# Altium PCB STB_LightBoard.PcbDoc (part 19 of 31)
Units mm, origin at the board's own origin, x right, y up, seen from the top; angles counter-clockwise.
Board outline 348 x 348 mm, 2 copper layers (Top Layer, Bottom Layer), stack 1.672 mm thick; 3807 components, 3391 nets, 11616 pads, 2553 vias.
Unrouted connection lines stored in the file: 68.
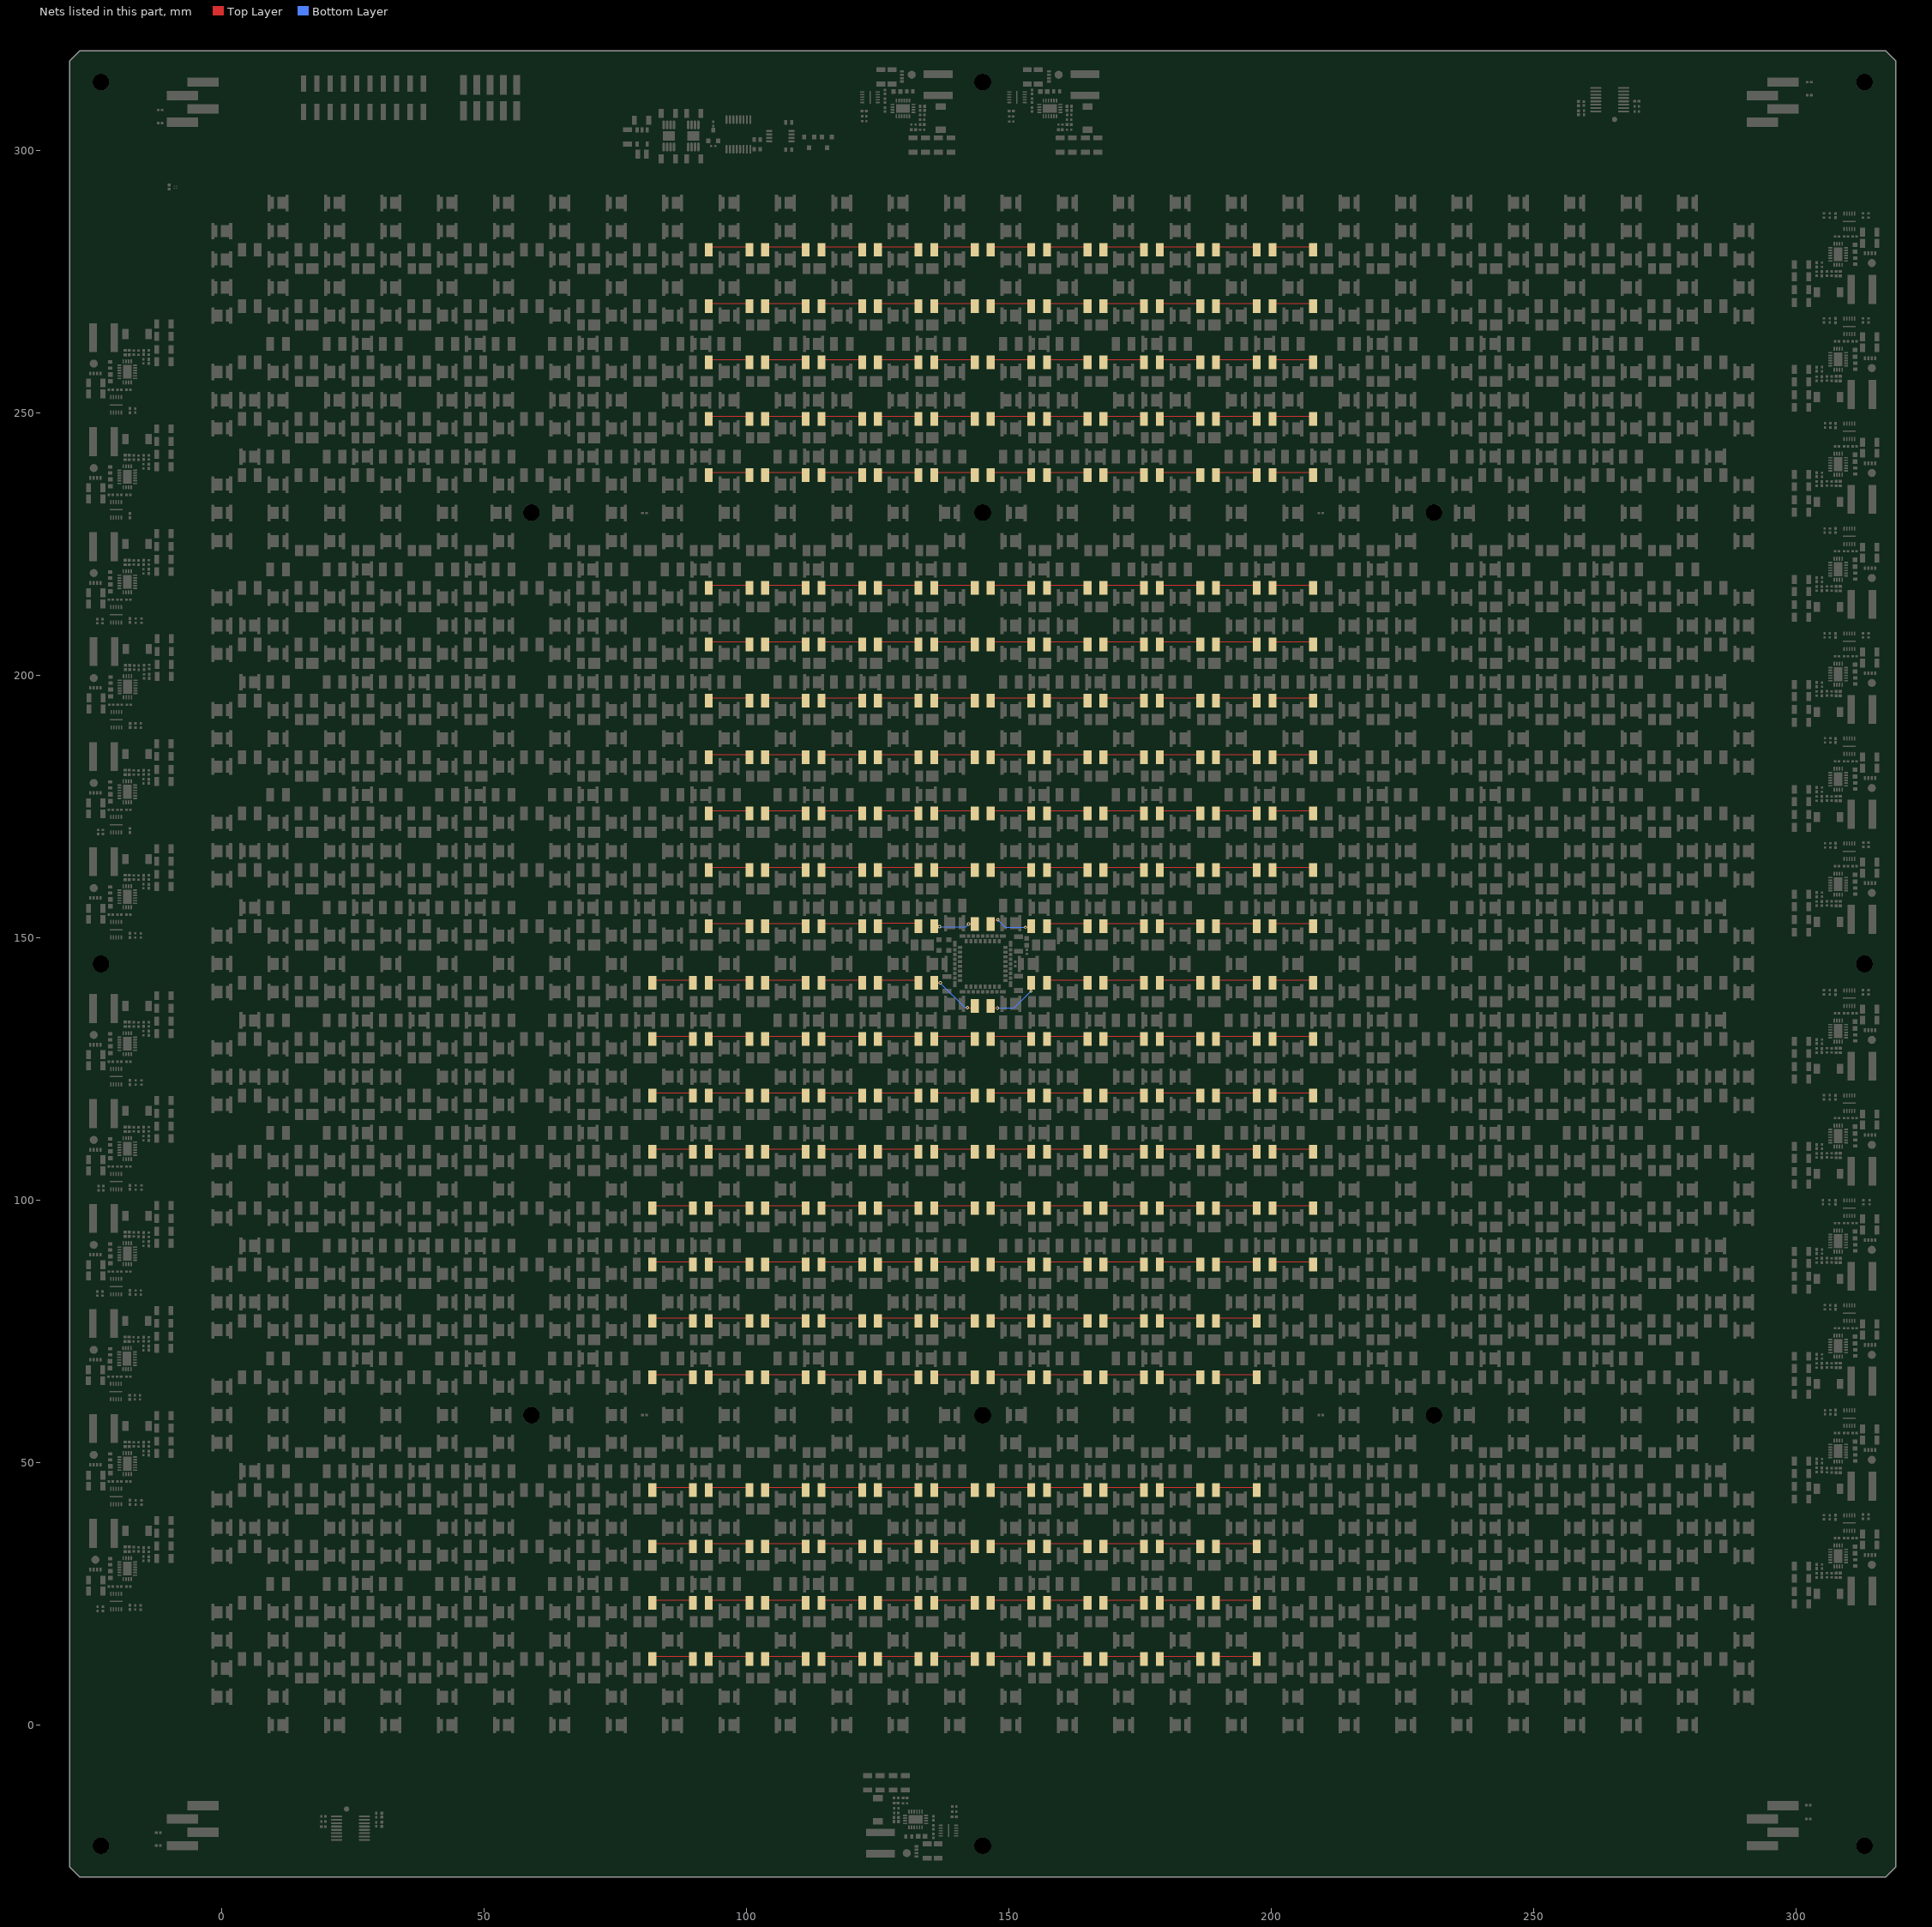
[diagram p19: the nets of this part, all layers, seen from the top]

## Via types
v1: diameter 0.604, hole 0.3, Top Layer to Bottom Layer, tented both sides, 2553 vias

## Nets (pads, with @x,y where several pads share a name; then routed paths per layer and width w, separated by ;. In a path a pad name is that pad's centre, name@x,y a point inside that pad or via, vN(x,y) a via of type N, cw(c..) or ccw(c..) an arc to the next point about the centre after c; other vN are vias at no path point) (continued)
NetLED22_IR940_30_1: LED22_IR940_30.1 LED23_IR940_30.2 | length 8.2
  Top Layer w0.2: LED22_IR940_30.1@82.057,141.433 82.591,141.967 89.264,141.967 LED23_IR940_30.2@89.798,141.433
NetLED22_IR940_31_1: LED22_IR940_31.1 LED23_IR940_31.2 | length 8.2
  Top Layer w0.2: LED22_IR940_31.1@82.057,130.692 82.591,131.226 89.264,131.226 LED23_IR940_31.2@89.798,130.692
NetLED22_IR940_32_1: LED22_IR940_32.1 LED23_IR940_32.2 | length 8.2
  Top Layer w0.2: LED22_IR940_32.1@82.057,119.951 82.591,120.485 89.264,120.485 LED23_IR940_32.2@89.798,119.951
NetLED22_IR940_33_1: LED22_IR940_33.1 LED23_IR940_33.2 | length 8.2
  Top Layer w0.2: LED22_IR940_33.1@82.057,109.21 82.591,109.744 89.264,109.744 LED23_IR940_33.2@89.798,109.21
NetLED22_IR940_34_1: LED22_IR940_34.1 LED23_IR940_34.2 | length 8.2
  Top Layer w0.2: LED22_IR940_34.1@82.057,98.469 82.591,99.003 89.264,99.003 LED23_IR940_34.2@89.798,98.469
NetLED22_IR940_35_1: LED22_IR940_35.1 LED23_IR940_35.2 | length 8.2
  Top Layer w0.2: LED22_IR940_35.1@82.057,87.728 82.591,88.262 89.264,88.262 LED23_IR940_35.2@89.798,87.728
NetLED22_IR940_40_1: LED22_IR940_40.1 LED23_IR940_40.2 | length 8.2
  Top Layer w0.2: LED22_IR940_40.1@82.057,76.987 82.591,77.521 89.264,77.521 LED23_IR940_40.2@89.798,76.987
NetLED22_IR940_41_1: LED22_IR940_41.1 LED23_IR940_41.2 | length 8.2
  Top Layer w0.2: LED22_IR940_41.1@82.057,66.246 82.591,66.78 89.264,66.78 LED23_IR940_41.2@89.798,66.246
NetLED22_IR940_42_1: LED22_IR940_42.1 LED23_IR940_42.2 | length 8.2
  Top Layer w0.2: LED22_IR940_42.1@82.057,44.764 82.591,45.298 89.264,45.298 LED23_IR940_42.2@89.798,44.764
NetLED22_IR940_43_1: LED22_IR940_43.1 LED23_IR940_43.2 | length 8.2
  Top Layer w0.2: LED22_IR940_43.1@82.057,34.023 82.591,34.557 89.264,34.557 LED23_IR940_43.2@89.798,34.023
NetLED22_IR940_44_1: LED22_IR940_44.1 LED23_IR940_44.2 | length 8.2
  Top Layer w0.2: LED22_IR940_44.1@82.057,23.282 82.591,23.816 89.264,23.816 LED23_IR940_44.2@89.798,23.282
NetLED22_IR940_45_1: LED22_IR940_45.1 LED23_IR940_45.2 | length 8.2
  Top Layer w0.2: LED22_IR940_45.1@82.057,12.541 82.591,13.075 89.264,13.075 LED23_IR940_45.2@89.798,12.541
NetLED23_IR940_10_1: LED23_IR940_10.1 LED24_IR940_10.2 | length 8.2
  Top Layer w0.2: LED23_IR940_10.1@92.798,281.066 93.332,281.6 100.005,281.6 LED24_IR940_10.2@100.539,281.066
NetLED23_IR940_11_1: LED23_IR940_11.1 LED24_IR940_11.2 | length 8.2
  Top Layer w0.2: LED23_IR940_11.1@92.798,270.325 93.332,270.859 100.005,270.859 LED24_IR940_11.2@100.539,270.325
NetLED23_IR940_12_1: LED23_IR940_12.1 LED24_IR940_12.2 | length 8.2
  Top Layer w0.2: LED23_IR940_12.1@92.798,259.584 93.332,260.118 100.005,260.118 LED24_IR940_12.2@100.539,259.584
NetLED23_IR940_13_1: LED23_IR940_13.1 LED24_IR940_13.2 | length 8.2
  Top Layer w0.2: LED23_IR940_13.1@92.798,248.843 93.332,249.377 100.005,249.377 LED24_IR940_13.2@100.539,248.843
NetLED23_IR940_14_1: LED23_IR940_14.1 LED24_IR940_14.2 | length 8.2
  Top Layer w0.2: LED23_IR940_14.1@92.798,238.102 93.332,238.636 100.005,238.636 LED24_IR940_14.2@100.539,238.102
NetLED23_IR940_15_1: LED23_IR940_15.1 LED24_IR940_15.2 | length 8.2
  Top Layer w0.2: LED23_IR940_15.1@92.798,216.62 93.332,217.154 100.005,217.154 LED24_IR940_15.2@100.539,216.62
NetLED23_IR940_20_1: LED23_IR940_20.1 LED24_IR940_20.2 | length 8.2
  Top Layer w0.2: LED23_IR940_20.1@92.798,205.879 93.332,206.413 100.005,206.413 LED24_IR940_20.2@100.539,205.879
NetLED23_IR940_21_1: LED23_IR940_21.1 LED24_IR940_21.2 | length 8.2
  Top Layer w0.2: LED23_IR940_21.1@92.798,195.138 93.332,195.672 100.005,195.672 LED24_IR940_21.2@100.539,195.138
NetLED23_IR940_22_1: LED23_IR940_22.1 LED24_IR940_22.2 | length 8.2
  Top Layer w0.2: LED23_IR940_22.1@92.798,184.397 93.332,184.931 100.005,184.931 LED24_IR940_22.2@100.539,184.397
NetLED23_IR940_23_1: LED23_IR940_23.1 LED24_IR940_23.2 | length 8.2
  Top Layer w0.2: LED23_IR940_23.1@92.798,173.656 93.332,174.19 100.005,174.19 LED24_IR940_23.2@100.539,173.656
NetLED23_IR940_24_1: LED23_IR940_24.1 LED24_IR940_24.2 | length 8.2
  Top Layer w0.2: LED23_IR940_24.1@92.798,162.915 93.332,163.449 100.005,163.449 LED24_IR940_24.2@100.539,162.915
NetLED23_IR940_25_1: LED23_IR940_25.1 LED24_IR940_25.2 | length 8.2
  Top Layer w0.2: LED23_IR940_25.1@92.798,152.174 93.332,152.708 100.005,152.708 LED24_IR940_25.2@100.539,152.174
NetLED23_IR940_30_1: LED23_IR940_30.1 LED24_IR940_30.2 | length 8.2
  Top Layer w0.2: LED23_IR940_30.1@92.798,141.433 93.332,141.967 100.005,141.967 LED24_IR940_30.2@100.539,141.433
NetLED23_IR940_31_1: LED23_IR940_31.1 LED24_IR940_31.2 | length 8.2
  Top Layer w0.2: LED23_IR940_31.1@92.798,130.692 93.332,131.226 100.005,131.226 LED24_IR940_31.2@100.539,130.692
NetLED23_IR940_32_1: LED23_IR940_32.1 LED24_IR940_32.2 | length 8.2
  Top Layer w0.2: LED23_IR940_32.1@92.798,119.951 93.332,120.485 100.005,120.485 LED24_IR940_32.2@100.539,119.951
NetLED23_IR940_33_1: LED23_IR940_33.1 LED24_IR940_33.2 | length 8.2
  Top Layer w0.2: LED23_IR940_33.1@92.798,109.21 93.332,109.744 100.005,109.744 LED24_IR940_33.2@100.539,109.21
NetLED23_IR940_34_1: LED23_IR940_34.1 LED24_IR940_34.2 | length 8.2
  Top Layer w0.2: LED23_IR940_34.1@92.798,98.469 93.332,99.003 100.005,99.003 LED24_IR940_34.2@100.539,98.469
NetLED23_IR940_35_1: LED23_IR940_35.1 LED24_IR940_35.2 | length 8.2
  Top Layer w0.2: LED23_IR940_35.1@92.798,87.728 93.332,88.262 100.005,88.262 LED24_IR940_35.2@100.539,87.728
NetLED23_IR940_40_1: LED23_IR940_40.1 LED24_IR940_40.2 | length 8.2
  Top Layer w0.2: LED23_IR940_40.1@92.798,76.987 93.332,77.521 100.005,77.521 LED24_IR940_40.2@100.539,76.987
NetLED23_IR940_41_1: LED23_IR940_41.1 LED24_IR940_41.2 | length 8.2
  Top Layer w0.2: LED23_IR940_41.1@92.798,66.246 93.332,66.78 100.005,66.78 LED24_IR940_41.2@100.539,66.246
NetLED23_IR940_42_1: LED23_IR940_42.1 LED24_IR940_42.2 | length 8.2
  Top Layer w0.2: LED23_IR940_42.1@92.798,44.764 93.332,45.298 100.005,45.298 LED24_IR940_42.2@100.539,44.764
NetLED23_IR940_43_1: LED23_IR940_43.1 LED24_IR940_43.2 | length 8.2
  Top Layer w0.2: LED23_IR940_43.1@92.798,34.023 93.332,34.557 100.005,34.557 LED24_IR940_43.2@100.539,34.023
NetLED23_IR940_44_1: LED23_IR940_44.1 LED24_IR940_44.2 | length 8.2
  Top Layer w0.2: LED23_IR940_44.1@92.798,23.282 93.332,23.816 100.005,23.816 LED24_IR940_44.2@100.539,23.282
NetLED23_IR940_45_1: LED23_IR940_45.1 LED24_IR940_45.2 | length 8.2
  Top Layer w0.2: LED23_IR940_45.1@92.798,12.541 93.332,13.075 100.005,13.075 LED24_IR940_45.2@100.539,12.541
NetLED24_IR940_10_1: LED24_IR940_10.1 LED25_IR940_10.2 | length 8.2
  Top Layer w0.2: LED24_IR940_10.1@103.539,281.066 104.073,281.6 110.746,281.6 LED25_IR940_10.2@111.28,281.066
NetLED24_IR940_11_1: LED24_IR940_11.1 LED25_IR940_11.2 | length 8.2
  Top Layer w0.2: LED24_IR940_11.1@103.539,270.325 104.073,270.859 110.746,270.859 LED25_IR940_11.2@111.28,270.325
NetLED24_IR940_12_1: LED24_IR940_12.1 LED25_IR940_12.2 | length 8.2
  Top Layer w0.2: LED24_IR940_12.1@103.539,259.584 104.073,260.118 110.746,260.118 LED25_IR940_12.2@111.28,259.584
NetLED24_IR940_13_1: LED24_IR940_13.1 LED25_IR940_13.2 | length 8.2
  Top Layer w0.2: LED24_IR940_13.1@103.539,248.843 104.073,249.377 110.746,249.377 LED25_IR940_13.2@111.28,248.843
NetLED24_IR940_14_1: LED24_IR940_14.1 LED25_IR940_14.2 | length 8.2
  Top Layer w0.2: LED24_IR940_14.1@103.539,238.102 104.073,238.636 110.746,238.636 LED25_IR940_14.2@111.28,238.102
NetLED24_IR940_15_1: LED24_IR940_15.1 LED25_IR940_15.2 | length 8.2
  Top Layer w0.2: LED24_IR940_15.1@103.539,216.62 104.073,217.154 110.746,217.154 LED25_IR940_15.2@111.28,216.62
NetLED24_IR940_20_1: LED24_IR940_20.1 LED25_IR940_20.2 | length 8.2
  Top Layer w0.2: LED24_IR940_20.1@103.539,205.879 104.073,206.413 110.746,206.413 LED25_IR940_20.2@111.28,205.879
NetLED24_IR940_21_1: LED24_IR940_21.1 LED25_IR940_21.2 | length 8.2
  Top Layer w0.2: LED24_IR940_21.1@103.539,195.138 104.073,195.672 110.746,195.672 LED25_IR940_21.2@111.28,195.138
NetLED24_IR940_22_1: LED24_IR940_22.1 LED25_IR940_22.2 | length 8.2
  Top Layer w0.2: LED24_IR940_22.1@103.539,184.397 104.073,184.931 110.746,184.931 LED25_IR940_22.2@111.28,184.397
NetLED24_IR940_23_1: LED24_IR940_23.1 LED25_IR940_23.2 | length 8.2
  Top Layer w0.2: LED24_IR940_23.1@103.539,173.656 104.073,174.19 110.746,174.19 LED25_IR940_23.2@111.28,173.656
NetLED24_IR940_24_1: LED24_IR940_24.1 LED25_IR940_24.2 | length 8.2
  Top Layer w0.2: LED24_IR940_24.1@103.539,162.915 104.073,163.449 110.746,163.449 LED25_IR940_24.2@111.28,162.915
NetLED24_IR940_25_1: LED24_IR940_25.1 LED25_IR940_25.2 | length 8.2
  Top Layer w0.2: LED24_IR940_25.1@103.539,152.174 104.073,152.708 110.746,152.708 LED25_IR940_25.2@111.28,152.174
NetLED24_IR940_30_1: LED24_IR940_30.1 LED25_IR940_30.2 | length 8.2
  Top Layer w0.2: LED24_IR940_30.1@103.539,141.433 104.073,141.967 110.746,141.967 LED25_IR940_30.2@111.28,141.433
NetLED24_IR940_31_1: LED24_IR940_31.1 LED25_IR940_31.2 | length 8.2
  Top Layer w0.2: LED24_IR940_31.1@103.539,130.692 104.073,131.226 110.746,131.226 LED25_IR940_31.2@111.28,130.692
NetLED24_IR940_32_1: LED24_IR940_32.1 LED25_IR940_32.2 | length 8.2
  Top Layer w0.2: LED24_IR940_32.1@103.539,119.951 104.073,120.485 110.746,120.485 LED25_IR940_32.2@111.28,119.951
NetLED24_IR940_33_1: LED24_IR940_33.1 LED25_IR940_33.2 | length 8.2
  Top Layer w0.2: LED24_IR940_33.1@103.539,109.21 104.073,109.744 110.746,109.744 LED25_IR940_33.2@111.28,109.21
NetLED24_IR940_34_1: LED24_IR940_34.1 LED25_IR940_34.2 | length 8.2
  Top Layer w0.2: LED24_IR940_34.1@103.539,98.469 104.073,99.003 110.746,99.003 LED25_IR940_34.2@111.28,98.469
NetLED24_IR940_35_1: LED24_IR940_35.1 LED25_IR940_35.2 | length 8.2
  Top Layer w0.2: LED24_IR940_35.1@103.539,87.728 104.073,88.262 110.746,88.262 LED25_IR940_35.2@111.28,87.728
NetLED24_IR940_40_1: LED24_IR940_40.1 LED25_IR940_40.2 | length 8.2
  Top Layer w0.2: LED24_IR940_40.1@103.539,76.987 104.073,77.521 110.746,77.521 LED25_IR940_40.2@111.28,76.987
NetLED24_IR940_41_1: LED24_IR940_41.1 LED25_IR940_41.2 | length 8.2
  Top Layer w0.2: LED24_IR940_41.1@103.539,66.246 104.073,66.78 110.746,66.78 LED25_IR940_41.2@111.28,66.246
NetLED24_IR940_42_1: LED24_IR940_42.1 LED25_IR940_42.2 | length 8.2
  Top Layer w0.2: LED24_IR940_42.1@103.539,44.764 104.073,45.298 110.746,45.298 LED25_IR940_42.2@111.28,44.764
NetLED24_IR940_43_1: LED24_IR940_43.1 LED25_IR940_43.2 | length 8.2
  Top Layer w0.2: LED24_IR940_43.1@103.539,34.023 104.073,34.557 110.746,34.557 LED25_IR940_43.2@111.28,34.023
NetLED24_IR940_44_1: LED24_IR940_44.1 LED25_IR940_44.2 | length 8.2
  Top Layer w0.2: LED24_IR940_44.1@103.539,23.282 104.073,23.816 110.746,23.816 LED25_IR940_44.2@111.28,23.282
NetLED24_IR940_45_1: LED24_IR940_45.1 LED25_IR940_45.2 | length 8.2
  Top Layer w0.2: LED24_IR940_45.1@103.539,12.541 104.073,13.075 110.746,13.075 LED25_IR940_45.2@111.28,12.541
NetLED25_IR940_10_1: LED25_IR940_10.1 LED26_IR940_10.2 | length 8.2
  Top Layer w0.2: LED25_IR940_10.1@114.28,281.066 114.814,281.6 121.487,281.6 LED26_IR940_10.2@122.021,281.066
NetLED25_IR940_11_1: LED25_IR940_11.1 LED26_IR940_11.2 | length 8.2
  Top Layer w0.2: LED25_IR940_11.1@114.28,270.325 114.814,270.859 121.487,270.859 LED26_IR940_11.2@122.021,270.325
NetLED25_IR940_12_1: LED25_IR940_12.1 LED26_IR940_12.2 | length 8.2
  Top Layer w0.2: LED25_IR940_12.1@114.28,259.584 114.814,260.118 121.487,260.118 LED26_IR940_12.2@122.021,259.584
NetLED25_IR940_13_1: LED25_IR940_13.1 LED26_IR940_13.2 | length 8.2
  Top Layer w0.2: LED25_IR940_13.1@114.28,248.843 114.814,249.377 121.487,249.377 LED26_IR940_13.2@122.021,248.843
NetLED25_IR940_14_1: LED25_IR940_14.1 LED26_IR940_14.2 | length 8.2
  Top Layer w0.2: LED25_IR940_14.1@114.28,238.102 114.814,238.636 121.487,238.636 LED26_IR940_14.2@122.021,238.102
NetLED25_IR940_15_1: LED25_IR940_15.1 LED26_IR940_15.2 | length 8.2
  Top Layer w0.2: LED25_IR940_15.1@114.28,216.62 114.814,217.154 121.487,217.154 LED26_IR940_15.2@122.021,216.62
NetLED25_IR940_20_1: LED25_IR940_20.1 LED26_IR940_20.2 | length 8.2
  Top Layer w0.2: LED25_IR940_20.1@114.28,205.879 114.814,206.413 121.487,206.413 LED26_IR940_20.2@122.021,205.879
NetLED25_IR940_21_1: LED25_IR940_21.1 LED26_IR940_21.2 | length 8.2
  Top Layer w0.2: LED25_IR940_21.1@114.28,195.138 114.814,195.672 121.487,195.672 LED26_IR940_21.2@122.021,195.138
NetLED25_IR940_22_1: LED25_IR940_22.1 LED26_IR940_22.2 | length 8.2
  Top Layer w0.2: LED25_IR940_22.1@114.28,184.397 114.814,184.931 121.487,184.931 LED26_IR940_22.2@122.021,184.397
NetLED25_IR940_23_1: LED25_IR940_23.1 LED26_IR940_23.2 | length 8.2
  Top Layer w0.2: LED25_IR940_23.1@114.28,173.656 114.814,174.19 121.487,174.19 LED26_IR940_23.2@122.021,173.656
NetLED25_IR940_24_1: LED25_IR940_24.1 LED26_IR940_24.2 | length 8.2
  Top Layer w0.2: LED25_IR940_24.1@114.28,162.915 114.814,163.449 121.487,163.449 LED26_IR940_24.2@122.021,162.915
NetLED25_IR940_25_1: LED25_IR940_25.1 LED26_IR940_25.2 | length 8.2
  Top Layer w0.2: LED25_IR940_25.1@114.28,152.174 114.814,152.708 121.487,152.708 LED26_IR940_25.2@122.021,152.174
NetLED25_IR940_30_1: LED25_IR940_30.1 LED26_IR940_30.2 | length 8.2
  Top Layer w0.2: LED25_IR940_30.1@114.28,141.433 114.814,141.967 121.487,141.967 LED26_IR940_30.2@122.021,141.433
NetLED25_IR940_31_1: LED25_IR940_31.1 LED26_IR940_31.2 | length 8.2
  Top Layer w0.2: LED25_IR940_31.1@114.28,130.692 114.814,131.226 121.487,131.226 LED26_IR940_31.2@122.021,130.692
NetLED25_IR940_32_1: LED25_IR940_32.1 LED26_IR940_32.2 | length 8.2
  Top Layer w0.2: LED25_IR940_32.1@114.28,119.951 114.814,120.485 121.487,120.485 LED26_IR940_32.2@122.021,119.951
NetLED25_IR940_33_1: LED25_IR940_33.1 LED26_IR940_33.2 | length 8.2
  Top Layer w0.2: LED25_IR940_33.1@114.28,109.21 114.814,109.744 121.487,109.744 LED26_IR940_33.2@122.021,109.21
NetLED25_IR940_34_1: LED25_IR940_34.1 LED26_IR940_34.2 | length 8.2
  Top Layer w0.2: LED25_IR940_34.1@114.28,98.469 114.814,99.003 121.487,99.003 LED26_IR940_34.2@122.021,98.469
NetLED25_IR940_35_1: LED25_IR940_35.1 LED26_IR940_35.2 | length 8.2
  Top Layer w0.2: LED25_IR940_35.1@114.28,87.728 114.814,88.262 121.487,88.262 LED26_IR940_35.2@122.021,87.728
NetLED25_IR940_40_1: LED25_IR940_40.1 LED26_IR940_40.2 | length 8.2
  Top Layer w0.2: LED25_IR940_40.1@114.28,76.987 114.814,77.521 121.487,77.521 LED26_IR940_40.2@122.021,76.987
NetLED25_IR940_41_1: LED25_IR940_41.1 LED26_IR940_41.2 | length 8.2
  Top Layer w0.2: LED25_IR940_41.1@114.28,66.246 114.814,66.78 121.487,66.78 LED26_IR940_41.2@122.021,66.246
NetLED25_IR940_42_1: LED25_IR940_42.1 LED26_IR940_42.2 | length 8.2
  Top Layer w0.2: LED25_IR940_42.1@114.28,44.764 114.814,45.298 121.487,45.298 LED26_IR940_42.2@122.021,44.764
NetLED25_IR940_43_1: LED25_IR940_43.1 LED26_IR940_43.2 | length 8.2
  Top Layer w0.2: LED25_IR940_43.1@114.28,34.023 114.814,34.557 121.487,34.557 LED26_IR940_43.2@122.021,34.023
NetLED25_IR940_44_1: LED25_IR940_44.1 LED26_IR940_44.2 | length 8.2
  Top Layer w0.2: LED25_IR940_44.1@114.28,23.282 114.814,23.816 121.487,23.816 LED26_IR940_44.2@122.021,23.282
NetLED25_IR940_45_1: LED25_IR940_45.1 LED26_IR940_45.2 | length 8.2
  Top Layer w0.2: LED25_IR940_45.1@114.28,12.541 114.814,13.075 121.487,13.075 LED26_IR940_45.2@122.021,12.541
NetLED26_IR940_10_1: LED26_IR940_10.1 LED27_IR940_10.2 | length 8.2
  Top Layer w0.2: LED26_IR940_10.1@125.021,281.066 125.555,281.6 132.228,281.6 LED27_IR940_10.2@132.762,281.066
NetLED26_IR940_11_1: LED26_IR940_11.1 LED27_IR940_11.2 | length 8.2
  Top Layer w0.2: LED26_IR940_11.1@125.021,270.325 125.555,270.859 132.228,270.859 LED27_IR940_11.2@132.762,270.325
NetLED26_IR940_12_1: LED26_IR940_12.1 LED27_IR940_12.2 | length 8.2
  Top Layer w0.2: LED26_IR940_12.1@125.021,259.584 125.555,260.118 132.228,260.118 LED27_IR940_12.2@132.762,259.584
NetLED26_IR940_13_1: LED26_IR940_13.1 LED27_IR940_13.2 | length 8.2
  Top Layer w0.2: LED26_IR940_13.1@125.021,248.843 125.555,249.377 132.228,249.377 LED27_IR940_13.2@132.762,248.843
NetLED26_IR940_14_1: LED26_IR940_14.1 LED27_IR940_14.2 | length 8.2
  Top Layer w0.2: LED26_IR940_14.1@125.021,238.102 125.555,238.636 132.228,238.636 LED27_IR940_14.2@132.762,238.102
NetLED26_IR940_15_1: LED26_IR940_15.1 LED27_IR940_15.2 | length 8.2
  Top Layer w0.2: LED26_IR940_15.1@125.021,216.62 125.555,217.154 132.228,217.154 LED27_IR940_15.2@132.762,216.62
NetLED26_IR940_20_1: LED26_IR940_20.1 LED27_IR940_20.2 | length 8.2
  Top Layer w0.2: LED26_IR940_20.1@125.021,205.879 125.555,206.413 132.228,206.413 LED27_IR940_20.2@132.762,205.879
NetLED26_IR940_21_1: LED26_IR940_21.1 LED27_IR940_21.2 | length 8.2
  Top Layer w0.2: LED26_IR940_21.1@125.021,195.138 125.555,195.672 132.228,195.672 LED27_IR940_21.2@132.762,195.138
NetLED26_IR940_22_1: LED26_IR940_22.1 LED27_IR940_22.2 | length 8.2
  Top Layer w0.2: LED26_IR940_22.1@125.021,184.397 125.555,184.931 132.228,184.931 LED27_IR940_22.2@132.762,184.397
NetLED26_IR940_23_1: LED26_IR940_23.1 LED27_IR940_23.2 | length 8.2
  Top Layer w0.2: LED26_IR940_23.1@125.021,173.656 125.555,174.19 132.228,174.19 LED27_IR940_23.2@132.762,173.656
NetLED26_IR940_24_1: LED26_IR940_24.1 LED27_IR940_24.2 | length 8.2
  Top Layer w0.2: LED26_IR940_24.1@125.021,162.915 125.555,163.449 132.228,163.449 LED27_IR940_24.2@132.762,162.915
NetLED26_IR940_25_1: LED26_IR940_25.1 LED27_IR940_25.2 | length 8.3
  Top Layer w0.2: LED26_IR940_25.1@125.021,152.174 125.643,152.796 132.14,152.796 LED27_IR940_25.2@132.762,152.174
NetLED26_IR940_30_1: LED26_IR940_30.1 LED27_IR940_30.2 | length 8.2
  Top Layer w0.2: LED26_IR940_30.1@125.021,141.433 125.555,141.967 132.228,141.967 LED27_IR940_30.2@132.762,141.433
NetLED26_IR940_31_1: LED26_IR940_31.1 LED27_IR940_31.2 | length 8.2
  Top Layer w0.2: LED26_IR940_31.1@125.021,130.692 125.555,131.226 132.228,131.226 LED27_IR940_31.2@132.762,130.692
NetLED26_IR940_32_1: LED26_IR940_32.1 LED27_IR940_32.2 | length 8.2
  Top Layer w0.2: LED26_IR940_32.1@125.021,119.951 125.555,120.485 132.228,120.485 LED27_IR940_32.2@132.762,119.951
NetLED26_IR940_33_1: LED26_IR940_33.1 LED27_IR940_33.2 | length 8.2
  Top Layer w0.2: LED26_IR940_33.1@125.021,109.21 125.555,109.744 132.228,109.744 LED27_IR940_33.2@132.762,109.21
NetLED26_IR940_34_1: LED26_IR940_34.1 LED27_IR940_34.2 | length 8.2
  Top Layer w0.2: LED26_IR940_34.1@125.021,98.469 125.555,99.003 132.228,99.003 LED27_IR940_34.2@132.762,98.469
NetLED26_IR940_35_1: LED26_IR940_35.1 LED27_IR940_35.2 | length 8.2
  Top Layer w0.2: LED26_IR940_35.1@125.021,87.728 125.555,88.262 132.228,88.262 LED27_IR940_35.2@132.762,87.728
NetLED26_IR940_40_1: LED26_IR940_40.1 LED27_IR940_40.2 | length 8.2
  Top Layer w0.2: LED26_IR940_40.1@125.021,76.987 125.555,77.521 132.228,77.521 LED27_IR940_40.2@132.762,76.987
NetLED26_IR940_41_1: LED26_IR940_41.1 LED27_IR940_41.2 | length 8.2
  Top Layer w0.2: LED26_IR940_41.1@125.021,66.246 125.555,66.78 132.228,66.78 LED27_IR940_41.2@132.762,66.246
NetLED26_IR940_42_1: LED26_IR940_42.1 LED27_IR940_42.2 | length 8.2
  Top Layer w0.2: LED26_IR940_42.1@125.021,44.764 125.555,45.298 132.228,45.298 LED27_IR940_42.2@132.762,44.764
NetLED26_IR940_43_1: LED26_IR940_43.1 LED27_IR940_43.2 | length 8.2
  Top Layer w0.2: LED26_IR940_43.1@125.021,34.023 125.555,34.557 132.228,34.557 LED27_IR940_43.2@132.762,34.023
NetLED26_IR940_44_1: LED26_IR940_44.1 LED27_IR940_44.2 | length 8.2
  Top Layer w0.2: LED26_IR940_44.1@125.021,23.282 125.555,23.816 132.228,23.816 LED27_IR940_44.2@132.762,23.282
NetLED26_IR940_45_1: LED26_IR940_45.1 LED27_IR940_45.2 | length 8.2
  Top Layer w0.2: LED26_IR940_45.1@125.021,12.541 125.555,13.075 132.228,13.075 LED27_IR940_45.2@132.762,12.541
NetLED27_IR940_10_1: LED27_IR940_10.1 LED28_IR940_10.2 | length 8.2
  Top Layer w0.2: LED27_IR940_10.1@135.762,281.066 136.296,281.6 142.969,281.6 LED28_IR940_10.2@143.503,281.066
NetLED27_IR940_11_1: LED27_IR940_11.1 LED28_IR940_11.2 | length 8.2
  Top Layer w0.2: LED27_IR940_11.1@135.762,270.325 136.296,270.859 142.969,270.859 LED28_IR940_11.2@143.503,270.325
NetLED27_IR940_12_1: LED27_IR940_12.1 LED28_IR940_12.2 | length 8.2
  Top Layer w0.2: LED27_IR940_12.1@135.762,259.584 136.296,260.118 142.969,260.118 LED28_IR940_12.2@143.503,259.584
NetLED27_IR940_13_1: LED27_IR940_13.1 LED28_IR940_13.2 | length 8.2